# Altium PCB UmTRXv2.PcbDoc (part 21 of 25)
Units mm, origin at the board's own origin, x right, y up, seen from the top; angles counter-clockwise.
Board outline 159.5 x 99.5 mm, 6 copper layers (Top Layer, GND, MidLayer1, Mid-Layer 2, InternalPlane2, Bottom Layer), stack 1.526 mm thick; 708 components, 578 nets, 2802 pads, 1408 vias.
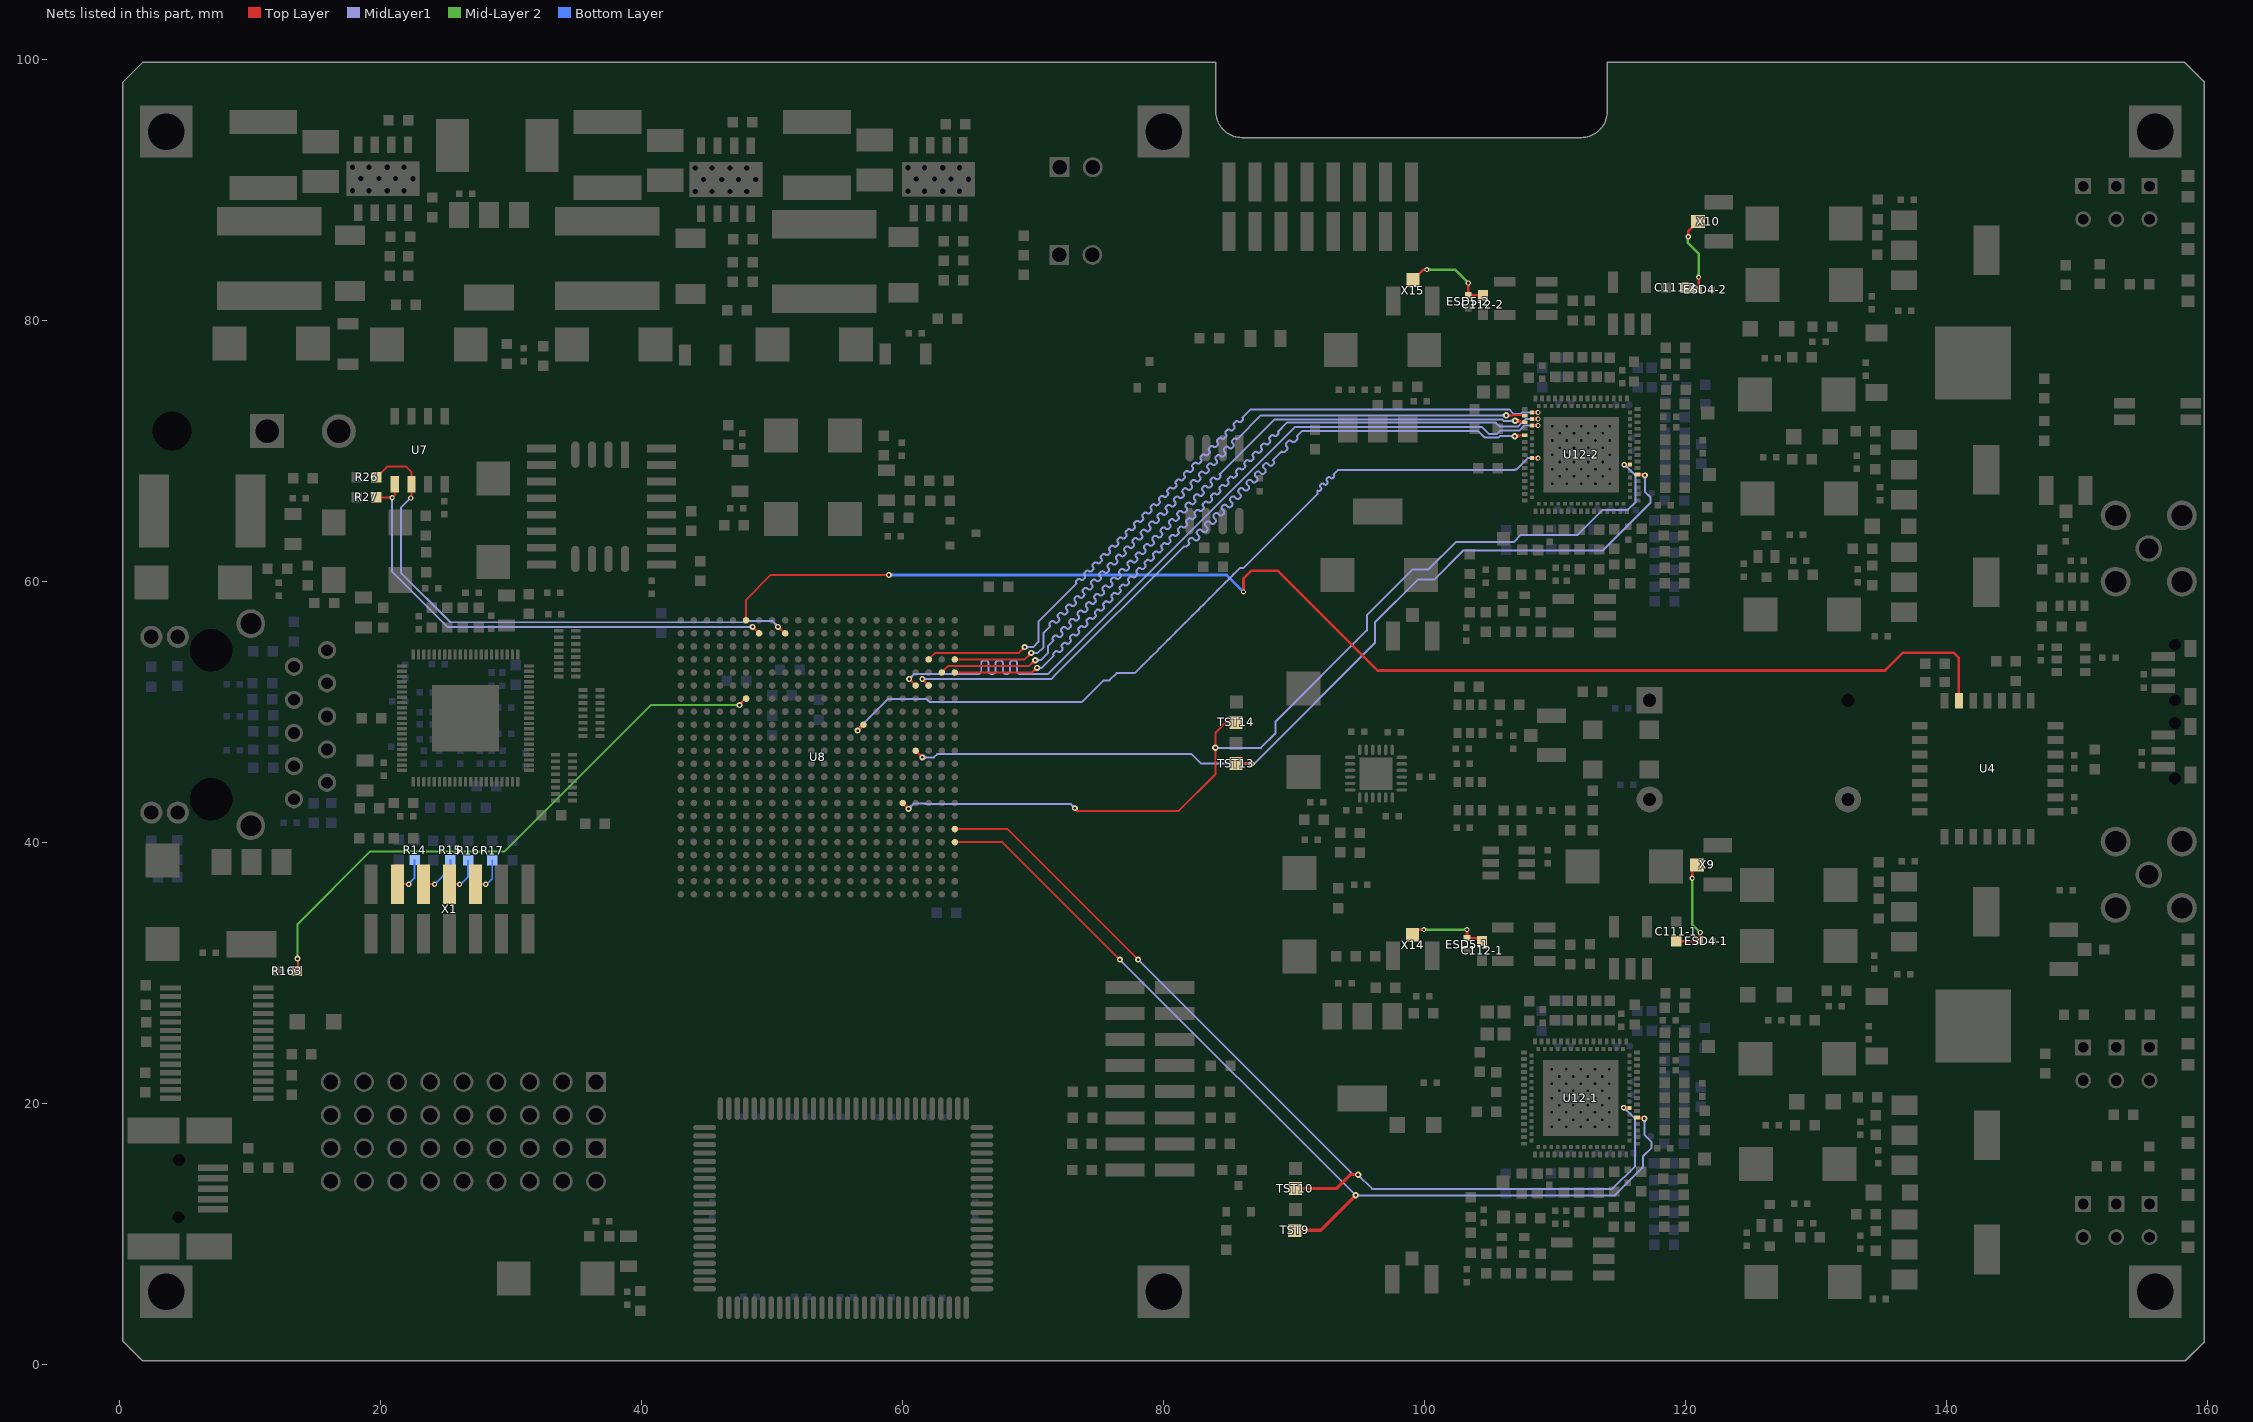
[diagram p25: the nets of this part, all layers, seen from the top]

## Via types
v1: diameter 0.5, hole 0.2, Top Layer to Bottom Layer, tented both sides, 441 vias
v2: diameter 0.45, hole 0.2, Top Layer to Bottom Layer, tented both sides, 429 vias
v3: diameter 0.7, hole 0.3, Top Layer to Bottom Layer, tented both sides, 258 vias
v4: diameter 0.4, hole 0.2, Top Layer to Bottom Layer, tented both sides, 197 vias
v5: diameter 0.8, hole 0.3, Top Layer to Bottom Layer, tented both sides, 61 vias
v6: diameter 0.6, hole 0.25, Top Layer to Bottom Layer, tented both sides, 16 vias
v7: diameter 0.6, hole 0.3, Top Layer to Bottom Layer, tented both sides, 4 vias
v8: diameter 1, hole 0.5, Top Layer to Bottom Layer, tented both sides, 2 vias

## Nets (pads, with @x,y where several pads share a name; then routed paths per layer and width w, separated by ;. In a path a pad name is that pad's centre, name@x,y a point inside that pad or via, vN(x,y) a via of type N, cw(c..) or ccw(c..) an arc to the next point about the centre after c; other vN are vias at no path point) (continued)
RX2D6: U8.U3 U12-2.9 | length 70.4
  Top Layer w0.15: U8.U3@62,52 v2(61.5,52.5) ; v1(106.9,71.1) 106.85,71.05 106.85,71 107.03,71.18 U12-2.9@107.671,71.18 ; v2@61.5,52.35 cw(c61.5,51.988) 61.756,52.244 ; v2@61.5,52.35 cw(c61.5,51.988) 61.756,52.244 ; v2@61.5,52.35 cw(c61.5,51.988) 61.756,52.244 ; v2(61.5,52.5) ccw(c61.757,52.553) 61.689,52.299 ; v2(61.5,52.5) cw(c61.447,52.243) 61.701,52.311 ; v2(61.5,52.5) cw(c61.447,52.243) 61.701,52.311 ; v2(61.5,52.5) ccw(c61.757,52.553) 61.689,52.299 ; v2(61.5,52.5) ccw(c61.757,52.553) 61.689,52.299 ; v2(61.5,52.5) cw(c61.447,52.243) 61.701,52.311 ; v2@61.65,52.5 ccw(c62.012,52.5) 61.756,52.244 ; v2@61.65,52.5 ccw(c62.012,52.5) 61.756,52.244 ; v2@61.65,52.5 ccw(c62.012,52.5) 61.756,52.244 ; v1@106.918,71.082 cw(c107.153,70.847) 107.153,71.18 ; v1@106.918,71.082 cw(c107.153,70.847) 107.153,71.18 ; v1@106.918,71.082 cw(c107.153,70.847) 107.153,71.18 ; v1@107.024,70.976 cw(c107.515,70.484) U12-2.9@107.515,71.18 ; v1@107.024,70.976 cw(c107.515,70.484) U12-2.9@107.515,71.18 ; v1@107.024,70.976 cw(c107.515,70.484) U12-2.9@107.515,71.18
  MidLayer1 w0.15: v2(61.5,52.5) 71.4,52.5 71.55,52.65 71.55,52.666 81.534,62.65 81.75,62.65 81.949,62.849 ccw(c81.899,62.898) 81.949,62.948 cw(c82.076,63.075) 81.949,63.203 82.013,63.266 cw(c82.14,63.139) 82.267,63.266 82.366,63.167 ccw(c82.493,63.294) 82.621,63.167 82.684,63.231 ccw(c82.557,63.358) 82.684,63.485 82.585,63.584 cw(c82.713,63.712) 82.585,63.839 82.649,63.903 cw(c82.776,63.775) 82.904,63.903 82.953,63.853 83.003,63.804 ccw(c83.13,63.931) 83.257,63.804 83.321,63.867 ccw(c83.193,63.994) 83.321,64.122 83.222,64.221 cw(c83.349,64.348) 83.222,64.475 83.285,64.539 cw(c83.413,64.412) 83.54,64.539 83.589,64.489 83.639,64.44 ccw(c83.766,64.567) 83.894,64.44 83.957,64.504 ccw(c83.83,64.631) 83.957,64.758 83.858,64.857 cw(c83.985,64.984) 83.858,65.112 83.922,65.175 cw(c84.049,65.048) 84.176,65.175 84.275,65.076 ccw(c84.403,65.204) 84.53,65.076 84.594,65.14 ccw(c84.466,65.267) 84.594,65.395 84.495,65.494 cw(c84.622,65.621) 84.495,65.748 84.558,65.812 cw(c84.685,65.684) 84.813,65.812 84.912,65.713 ccw(c85.039,65.84) 85.166,65.713 85.23,65.776 ccw(c85.103,65.904) 85.23,66.031 85.18,66.08 85.131,66.13 cw(c85.258,66.257) 85.131,66.384 85.195,66.448 cw(c85.322,66.321) 85.449,66.448 85.548,66.349 ccw(c85.675,66.476) 85.803,66.349 85.866,66.413 ccw(c85.739,66.54) 85.866,66.667 85.817,66.717 85.767,66.766 cw(c85.895,66.894) 85.767,67.021 85.831,67.085 cw(c85.958,66.957) 86.086,67.085 86.185,66.986 ccw(c86.312,67.113) 86.439,66.986 86.503,67.049 ccw(c86.375,67.176) 86.503,67.304 86.404,67.403 cw(c86.531,67.53) 86.404,67.657 86.467,67.721 cw(c86.595,67.594) 86.722,67.721 86.821,67.622 ccw(c86.948,67.749) 87.075,67.622 87.139,67.686 ccw(c87.012,67.813) 87.139,67.94 87.04,68.039 cw(c87.167,68.166) 87.04,68.294 87.104,68.357 cw(c87.231,68.23) 87.358,68.357 87.408,68.308 87.457,68.258 ccw(c87.585,68.386) 87.712,68.258 87.776,68.322 ccw(c87.648,68.449) 87.776,68.577 87.677,68.676 cw(c87.804,68.803) 87.677,68.93 87.74,68.994 cw(c87.867,68.866) 87.995,68.994 88.044,68.944 88.094,68.895 ccw(c88.221,69.022) 88.348,68.895 88.412,68.958 ccw(c88.285,69.086) 88.412,69.213 88.362,69.262 89.039,69.939 ccw(c89.18,70.08) 89.322,69.939 89.428,70.045 ccw(c89.286,70.186) 89.428,70.328 cw(c89.569,70.469) 89.428,70.611 89.534,70.717 cw(c89.675,70.575) 89.817,70.717 ccw(c89.958,70.858) 90.099,70.717 90.206,70.823 ccw(c90.064,70.964) 90.206,71.106 90.6,71.5 104.104,71.5 104.591,71.013 105.684,71.013 105.797,71.125 106.875,71.125 v1(106.9,71.1) ; v2@61.606,52.394 cw(c61.862,52.138) 61.862,52.5 ; v2@61.606,52.394 cw(c61.862,52.138) 61.862,52.5 ; v2@61.606,52.394 cw(c61.862,52.138) 61.862,52.5 ; v2@61.606,52.606 ccw(c61.862,52.862) 61.862,52.5 ; v2@61.606,52.606 ccw(c61.862,52.862) 61.862,52.5 ; v2@61.606,52.606 ccw(c61.862,52.862) 61.862,52.5
RX2D7: U8.U4 U12-2.6 | length 70.6
  Top Layer w0.15: U8.U4@61,52 v2(60.5,52.5) ; v2@60.5,52.35 cw(c60.5,51.988) 60.756,52.244 ; v2@60.5,52.35 cw(c60.5,51.988) 60.756,52.244 ; v2@60.5,52.35 cw(c60.5,51.988) 60.756,52.244 ; v2(60.5,52.5) ccw(c60.757,52.553) 60.689,52.299 ; v2(60.5,52.5) cw(c60.447,52.243) 60.701,52.311 ; v2(60.5,52.5) cw(c60.447,52.243) 60.701,52.311 ; v2(60.5,52.5) ccw(c60.757,52.553) 60.689,52.299 ; v2(60.5,52.5) ccw(c60.757,52.553) 60.689,52.299 ; v2(60.5,52.5) cw(c60.447,52.243) 60.701,52.311 ; v2@60.65,52.5 ccw(c61.012,52.5) 60.756,52.244 ; v2@60.65,52.5 ccw(c61.012,52.5) 60.756,52.244 ; v2@60.65,52.5 ccw(c61.012,52.5) 60.756,52.244
  Top Layer w0.2: U12-2.6@108.246,71.93 v4@108.671,71.93 ; 108.455,71.93 cw(c108.455,71.688) v4@108.625,71.859 ; 108.455,71.93 ccw(c108.455,72.171) v4@108.625,72.001 ; 108.455,71.93 ccw(c108.455,72.171) v4@108.625,72.001 ; 108.455,71.93 cw(c108.455,71.688) v4@108.625,71.859 ; 108.455,71.93 ccw(c108.455,72.171) v4@108.625,72.001 ; 108.455,71.93 cw(c108.455,71.688) v4@108.625,71.859
  MidLayer1 w0.15: v2(60.5,52.5) 60.9,52.9 65.805,52.9 ccw(c65.805,53.12) 66.025,53.12 66.025,53.715 cw(c66.245,53.715) 66.245,53.935 66.355,53.935 cw(c66.355,53.715) 66.575,53.715 66.575,53.12 ccw(c66.795,53.12) 66.795,52.9 66.905,52.9 ccw(c66.905,53.12) 67.125,53.12 67.125,53.715 cw(c67.345,53.715) 67.345,53.935 67.455,53.935 cw(c67.455,53.715) 67.675,53.715 67.675,53.12 ccw(c67.895,53.12) 67.895,52.9 68.005,52.9 ccw(c68.005,53.12) 68.225,53.12 68.225,53.715 cw(c68.445,53.715) 68.445,53.935 68.555,53.935 cw(c68.555,53.715) 68.775,53.715 68.775,53.12 ccw(c68.995,53.12) 68.995,52.9 71.15,52.9 90.05,71.8 104.413,71.8 104.95,71.263 105.534,71.263 105.834,71.563 107.285,71.563 107.652,71.93 v4(108.696,71.93) ; v2@60.5,52.65 ccw(c60.5,53.012) 60.756,52.756 ; v2@60.5,52.65 ccw(c60.5,53.012) 60.756,52.756 ; v2@60.5,52.65 ccw(c60.5,53.012) 60.756,52.756 ; v2@60.65,52.5 cw(c61.012,52.5) 60.756,52.756 ; v2@60.65,52.5 cw(c61.012,52.5) 60.756,52.756 ; v2@60.65,52.5 cw(c61.012,52.5) 60.756,52.756 ; 108.394,71.93 cw(c108.394,71.628) v4@108.608,71.841 ; 108.394,71.93 ccw(c108.394,72.232) v4@108.608,72.018 ; 108.394,71.93 ccw(c108.394,72.232) v4@108.608,72.018 ; 108.394,71.93 cw(c108.394,71.628) v4@108.608,71.841 ; 108.394,71.93 ccw(c108.394,72.232) v4@108.608,72.018 ; 108.394,71.93 cw(c108.394,71.628) v4@108.608,71.841
RX2D8: U8.V2 U12-2.5 | length 75.9
  Top Layer w0.15: U8.V2@63,53 63.5,53.5 69.7,53.5 v1(70.15,53.95) ; v1(106.95,72.3) 106.95,72.25 107.02,72.18 U12-2.5@107.671,72.18 ; 69.851,53.651 cw(c70.15,53.353) v1@70.15,53.775 ; 69.851,53.651 ccw(c69.553,53.95) v1@69.975,53.95 ; 69.851,53.651 ccw(c69.553,53.95) v1@69.975,53.95 ; 69.851,53.651 cw(c70.15,53.353) v1@70.15,53.775 ; 69.851,53.651 ccw(c69.553,53.95) v1@69.975,53.95 ; 69.851,53.651 cw(c70.15,53.353) v1@70.15,53.775 ; 69.89,53.705 ccw(c69.806,54.02) v1@70.126,53.955 ; 69.89,53.705 ccw(c69.806,54.02) v1@70.126,53.955 ; 69.89,53.705 ccw(c69.806,54.02) v1@70.126,53.955 ; 69.905,53.69 cw(c70.22,53.606) v1@70.155,53.926 ; 69.905,53.69 cw(c70.22,53.606) v1@70.155,53.926 ; 69.905,53.69 cw(c70.22,53.606) v1@70.155,53.926 ; v1@106.968,72.318 ccw(c107.3,72.65) 107.3,72.18 ; v1@106.968,72.318 ccw(c107.3,72.65) 107.3,72.18 ; v1@106.968,72.318 ccw(c107.3,72.65) 107.3,72.18 ; v1@106.97,72.285 cw(c107.125,72.175) 107.219,72.34 ; v1@106.97,72.285 cw(c107.125,72.175) 107.219,72.34 ; v1@106.97,72.285 cw(c107.125,72.175) 107.219,72.34 ; v1@107.074,72.424 ccw(c107.662,73.012) U12-2.5@107.662,72.18 ; v1@107.074,72.424 ccw(c107.662,73.012) U12-2.5@107.662,72.18 ; v1@107.074,72.424 ccw(c107.662,73.012) U12-2.5@107.662,72.18 ; v1@107.092,72.198 cw(c107.26,72.079) 107.362,72.257 ; v1@107.092,72.198 cw(c107.26,72.079) 107.362,72.257 ; v1@107.092,72.198 cw(c107.26,72.079) 107.362,72.257
  MidLayer1 w0.15: v1(70.15,53.95) 70.6,53.95 71.15,54.5 71.15,55.05 71.545,55.445 ccw(c71.531,55.459) 71.545,55.473 cw(c71.672,55.601) 71.545,55.728 71.609,55.791 cw(c71.736,55.664) 71.863,55.791 71.877,55.777 71.891,55.763 ccw(c72.019,55.89) 72.146,55.763 72.21,55.827 ccw(c72.082,55.954) 72.21,56.081 72.195,56.095 72.181,56.11 cw(c72.309,56.237) 72.181,56.364 72.245,56.428 cw(c72.372,56.301) 72.5,56.428 72.514,56.414 72.528,56.4 ccw(c72.655,56.527) 72.782,56.4 72.846,56.463 ccw(c72.719,56.59) 72.846,56.718 72.832,56.732 72.818,56.746 cw(c72.945,56.873) 72.818,57.001 72.881,57.064 cw(c73.009,56.937) 73.136,57.064 73.15,57.05 73.164,57.036 ccw(c73.292,57.163) 73.419,57.036 73.482,57.1 ccw(c73.355,57.227) 73.482,57.354 73.468,57.368 73.454,57.382 cw(c73.581,57.51) 73.454,57.637 73.518,57.701 cw(c73.645,57.573) 73.772,57.701 73.786,57.686 73.801,57.672 ccw(c73.928,57.8) 74.055,57.672 74.119,57.736 ccw(c73.992,57.863) 74.119,57.991 74.105,58.005 74.091,58.019 cw(c74.218,58.146) 74.091,58.273 74.154,58.337 cw(c74.281,58.21) 74.409,58.337 74.423,58.323 74.437,58.309 ccw(c74.564,58.436) 74.692,58.309 74.755,58.372 ccw(c74.628,58.5) 74.755,58.627 74.741,58.641 74.727,58.655 cw(c74.854,58.782) 74.727,58.91 74.791,58.973 cw(c74.918,58.846) 75.045,58.973 75.059,58.959 75.073,58.945 ccw(c75.201,59.072) 75.328,58.945 75.392,59.009 ccw(c75.264,59.136) 75.392,59.263 75.377,59.277 75.363,59.292 cw(c75.491,59.419) 75.363,59.546 75.427,59.61 cw(c75.554,59.483) 75.682,59.61 75.696,59.596 75.71,59.582 ccw(c75.837,59.709) 75.964,59.582 76.028,59.645 ccw(c75.901,59.772) 76.028,59.9 76.014,59.914 76,59.928 cw(c76.127,60.055) 76,60.183 76.063,60.246 cw(c76.191,60.119) 76.318,60.246 76.332,60.232 76.346,60.218 ccw(c76.473,60.345) 76.601,60.218 76.664,60.282 ccw(c76.537,60.409) 76.664,60.536 76.65,60.55 76.636,60.564 cw(c76.763,60.692) 76.636,60.819 76.7,60.883 cw(c76.827,60.755) 76.954,60.883 76.968,60.868 76.983,60.854 ccw(c77.11,60.982) 77.237,60.854 77.301,60.918 ccw(c77.174,61.045) 77.301,61.173 77.287,61.187 77.273,61.201 cw(c77.4,61.328) 77.273,61.455 77.336,61.519 cw(c77.463,61.392) 77.591,61.519 77.605,61.505 77.619,61.491 ccw(c77.746,61.618) 77.874,61.491 77.937,61.554 ccw(c77.81,61.682) 77.937,61.809 77.923,61.823 77.909,61.837 cw(c78.036,61.964) 77.909,62.092 77.973,62.155 cw(c78.1,62.028) 78.227,62.155 78.241,62.141 78.255,62.127 ccw(c78.383,62.254) 78.51,62.127 78.574,62.191 ccw(c78.446,62.318) 78.574,62.445 78.559,62.459 78.545,62.474 cw(c78.673,62.601) 78.545,62.728 78.609,62.792 cw(c78.736,62.665) 78.863,62.792 78.878,62.778 78.892,62.763 ccw(c79.019,62.891) 79.146,62.763 79.21,62.827 ccw(c79.083,62.954) 79.21,63.082 79.196,63.096 79.182,63.11 cw(c79.309,63.237) 79.182,63.365 79.245,63.428 cw(c79.373,63.301) 79.5,63.428 79.514,63.414 79.528,63.4 ccw(c79.655,63.527) 79.783,63.4 79.846,63.464 ccw(c79.719,63.591) 79.846,63.718 79.832,63.732 79.818,63.746 cw(c79.945,63.874) 79.818,64.001 79.882,64.065 cw(c80.009,63.937) 80.136,64.065 80.15,64.05 80.165,64.036 ccw(c80.292,64.164) 80.419,64.036 80.483,64.1 ccw(c80.355,64.227) 80.483,64.354 80.454,64.383 cw(c80.582,64.51) 80.454,64.637 80.518,64.701 cw(c80.645,64.574) 80.773,64.701 80.787,64.687 80.801,64.673 ccw(c80.928,64.8) 81.056,64.673 81.119,64.736 ccw(c80.992,64.864) 81.119,64.991 81.105,65.005 81.091,65.019 cw(c81.218,65.146) 81.091,65.274 81.155,65.337 cw(c81.282,65.21) 81.409,65.337 81.423,65.323 81.437,65.309 ccw(c81.565,65.436) 81.692,65.309 81.756,65.373 ccw(c81.628,65.5) 81.756,65.627 81.741,65.641 81.727,65.656 cw(c81.855,65.783) 81.727,65.91 81.791,65.974 cw(c81.918,65.846) 82.045,65.974 82.06,65.96 82.074,65.945 ccw(c82.201,66.073) 82.328,65.945 82.392,66.009 ccw(c82.265,66.136) 82.392,66.264 82.378,66.278 82.364,66.292 cw(c82.491,66.419) 82.364,66.547 82.427,66.61 cw(c82.555,66.483) 82.682,66.61 82.71,66.582 ccw(c82.837,66.709) 82.965,66.582 83.028,66.646 ccw(c82.901,66.773) 83.028,66.9 83.014,66.914 83,66.928 cw(c83.127,67.056) 83,67.183 83.064,67.247 cw(c83.191,67.119) 83.318,67.247 83.332,67.232 83.347,67.218 ccw(c83.474,67.346) 83.601,67.218 83.665,67.282 ccw(c83.537,67.409) 83.665,67.536 83.651,67.551 83.636,67.565 cw(c83.764,67.692) 83.636,67.819 83.7,67.883 cw(c83.827,67.756) 83.955,67.883 83.969,67.869 83.983,67.855 ccw(c84.11,67.982) 84.238,67.855 84.301,67.918 ccw(c84.174,68.046) 84.301,68.173 cw(c84.315,68.187) 84.301,68.201 88.5,72.4 105.949,72.4 106.074,72.275 106.925,72.275 v1(106.95,72.3) ; v1@70.274,53.826 cw(c70.572,53.528) 70.572,53.95 ; v1@70.274,53.826 cw(c70.572,53.528) 70.572,53.95 ; v1@70.274,53.826 cw(c70.572,53.528) 70.572,53.95 ; v1@70.274,54.074 ccw(c70.572,54.372) 70.572,53.95 ; v1@70.274,54.074 ccw(c70.572,54.372) 70.572,53.95 ; v1@70.274,54.074 ccw(c70.572,54.372) 70.572,53.95 ; 106.467,72.275 ccw(c106.467,72.783) v1@106.826,72.424 ; 106.467,72.275 ccw(c106.467,72.783) v1@106.826,72.424 ; 106.467,72.275 ccw(c106.467,72.783) v1@106.826,72.424 ; 106.588,72.275 cw(c106.588,71.938) v1@106.826,72.176 ; 106.588,72.275 cw(c106.588,71.938) v1@106.826,72.176 ; 106.588,72.275 cw(c106.588,71.938) v1@106.826,72.176
RX2D9: U8.V1 U12-2.4 | length 69.6
  Top Layer w0.15: U8.V1@64,53 69.9,53 70.3,53.4 v2(70.3,53.35) ; 69.958,53.058 cw(c70.3,52.717) v2@70.3,53.2 ; 69.958,53.058 cw(c70.3,52.717) v2@70.3,53.2 ; 69.958,53.058 cw(c70.3,52.717) v2@70.3,53.2 ; 70.079,53.179 ccw(c69.909,53.35) v2@70.15,53.35 ; 70.079,53.179 ccw(c69.909,53.35) v2@70.15,53.35 ; 70.079,53.179 ccw(c69.909,53.35) v2@70.15,53.35 ; 70.081,53.141 ccw(c70,53.446) v2(70.3,53.35) ; 70.081,53.141 ccw(c70,53.446) v2(70.3,53.35) ; 70.081,53.141 ccw(c70,53.446) v2(70.3,53.35)
  Top Layer w0.2: U12-2.4@108.246,72.43 v4@108.671,72.43 ; 108.455,72.43 cw(c108.455,72.188) v4@108.625,72.359 ; 108.455,72.43 ccw(c108.455,72.671) v4@108.625,72.501 ; 108.455,72.43 ccw(c108.455,72.671) v4@108.625,72.501 ; 108.455,72.43 cw(c108.455,72.188) v4@108.625,72.359 ; 108.455,72.43 ccw(c108.455,72.671) v4@108.625,72.501 ; 108.455,72.43 cw(c108.455,72.188) v4@108.625,72.359
  MidLayer1 w0.15: v2(70.3,53.35) 70.65,53.35 ; v4(108.696,72.43) 107.752,72.43 107.185,71.863 105.751,71.863 105.464,72.15 89.45,72.15 88.767,71.467 cw(c88.661,71.361) 88.767,71.255 88.661,71.149 cw(c88.555,71.255) 88.449,71.149 ccw(c88.342,71.042) 88.236,71.149 88.13,71.042 ccw(c88.236,70.936) 88.13,70.83 cw(c88.024,70.724) 88.13,70.618 88.024,70.512 cw(c87.918,70.618) 87.812,70.512 ccw(c87.706,70.406) 87.6,70.512 87.494,70.406 ccw(c87.6,70.3) 87.494,70.194 cw(c87.388,70.088) 87.494,69.982 87.388,69.876 cw(c87.282,69.982) 87.176,69.876 ccw(c87.07,69.77) 86.964,69.876 86.858,69.77 ccw(c86.964,69.664) 86.858,69.558 cw(c86.752,69.452) 86.858,69.345 86.752,69.239 cw(c86.645,69.345) 86.539,69.239 ccw(c86.433,69.133) 86.327,69.239 86.221,69.133 ccw(c86.327,69.027) 86.221,68.921 cw(c86.115,68.815) 86.221,68.709 86.115,68.603 cw(c86.009,68.709) 85.903,68.603 ccw(c85.797,68.497) 85.691,68.603 85.585,68.497 ccw(c85.691,68.391) 85.585,68.285 cw(c85.479,68.179) 85.585,68.073 85.479,67.967 cw(c85.373,68.073) 85.267,67.967 ccw(c85.161,67.861) 85.054,67.967 84.948,67.861 ccw(c85.054,67.754) 84.948,67.648 cw(c84.842,67.542) 84.948,67.436 84.842,67.33 cw(c84.736,67.436) 84.63,67.33 ccw(c84.524,67.224) 84.418,67.33 84.312,67.224 ccw(c84.418,67.118) 84.312,67.012 cw(c84.206,66.906) 84.312,66.8 84.206,66.694 cw(c84.1,66.8) 83.994,66.694 ccw(c83.888,66.588) 83.782,66.694 83.676,66.588 ccw(c83.782,66.482) 83.676,66.376 cw(c83.57,66.27) 83.676,66.163 83.57,66.057 cw(c83.463,66.163) 83.357,66.057 ccw(c83.251,65.951) 83.145,66.057 83.039,65.951 ccw(c83.145,65.845) 83.039,65.739 cw(c82.933,65.633) 83.039,65.527 82.933,65.421 cw(c82.827,65.527) 82.721,65.421 ccw(c82.615,65.315) 82.509,65.421 82.403,65.315 ccw(c82.509,65.209) 82.403,65.103 cw(c82.297,64.997) 82.403,64.891 82.297,64.785 cw(c82.191,64.891) 82.085,64.785 ccw(c81.979,64.679) 81.872,64.785 81.766,64.679 ccw(c81.872,64.572) 81.766,64.466 cw(c81.66,64.36) 81.766,64.254 81.66,64.148 cw(c81.554,64.254) 81.448,64.148 ccw(c81.342,64.042) 81.236,64.148 81.13,64.042 ccw(c81.236,63.936) 81.13,63.83 cw(c81.024,63.724) 81.13,63.618 81.024,63.512 cw(c80.918,63.618) 80.812,63.512 ccw(c80.706,63.406) 80.6,63.512 80.494,63.406 ccw(c80.6,63.3) 80.494,63.194 cw(c80.388,63.088) 80.494,62.981 80.388,62.875 cw(c80.281,62.981) 80.175,62.875 ccw(c80.069,62.769) 79.963,62.875 79.857,62.769 ccw(c79.963,62.663) 79.857,62.557 cw(c79.751,62.451) 79.857,62.345 79.751,62.239 cw(c79.645,62.345) 79.539,62.239 ccw(c79.433,62.133) 79.327,62.239 79.221,62.133 ccw(c79.327,62.027) 79.221,61.921 cw(c79.115,61.815) 79.221,61.709 79.115,61.603 cw(c79.009,61.709) 78.903,61.603 ccw(c78.797,61.497) 78.691,61.603 78.584,61.497 ccw(c78.691,61.391) 78.584,61.284 cw(c78.478,61.178) 78.584,61.072 78.478,60.966 cw(c78.372,61.072) 78.266,60.966 ccw(c78.16,60.86) 78.054,60.966 77.948,60.86 ccw(c78.054,60.754) 77.948,60.648 cw(c77.842,60.542) 77.948,60.436 77.842,60.33 cw(c77.736,60.436) 77.63,60.33 ccw(c77.524,60.224) 77.418,60.33 77.312,60.224 ccw(c77.418,60.118) 77.312,60.012 cw(c77.206,59.906) 77.312,59.8 77.206,59.693 cw(c77.1,59.8) 76.993,59.693 ccw(c76.887,59.587) 76.781,59.693 76.675,59.587 ccw(c76.781,59.481) 76.675,59.375 cw(c76.569,59.269) 76.675,59.163 76.569,59.057 cw(c76.463,59.163) 76.357,59.057 ccw(c76.251,58.951) 76.145,59.057 76.039,58.951 ccw(c76.145,58.845) 76.039,58.739 cw(c75.933,58.633) 76.039,58.527 75.933,58.421 cw(c75.827,58.527) 75.721,58.421 ccw(c75.615,58.315) 75.509,58.421 75.402,58.315 ccw(c75.509,58.209) 75.402,58.102 cw(c75.296,57.996) 75.402,57.89 75.296,57.784 cw(c75.19,57.89) 75.084,57.784 ccw(c74.978,57.678) 74.872,57.784 74.766,57.678 ccw(c74.872,57.572) 74.766,57.466 cw(c74.66,57.36) 74.766,57.254 74.66,57.148 cw(c74.554,57.254) 74.448,57.148 ccw(c74.342,57.042) 74.236,57.148 74.13,57.042 ccw(c74.236,56.936) 74.13,56.83 cw(c74.024,56.724) 74.13,56.618 74.024,56.511 cw(c73.918,56.618) 73.811,56.511 ccw(c73.705,56.405) 73.599,56.511 73.493,56.405 ccw(c73.599,56.299) 73.493,56.193 cw(c73.387,56.087) 73.493,55.981 73.387,55.875 cw(c73.281,55.981) 73.175,55.875 ccw(c73.069,55.769) 72.963,55.875 72.857,55.769 ccw(c72.963,55.663) 72.857,55.557 cw(c72.751,55.451) 72.857,55.345 72.751,55.239 cw(c72.645,55.345) 72.539,55.239 ccw(c72.433,55.133) 72.327,55.239 72.22,55.133 ccw(c72.327,55.027) 72.22,54.92 cw(c72.114,54.814) 72.22,54.708 72.114,54.602 cw(c72.008,54.708) 71.902,54.602 ccw(c71.796,54.496) 71.69,54.602 71.584,54.496 ccw(c71.69,54.39) 71.584,54.284 70.65,53.35 ; v2@70.409,53.247 cw(c70.65,53.017) 70.65,53.35 ; v2@70.409,53.247 cw(c70.65,53.017) 70.65,53.35 ; v2@70.409,53.247 cw(c70.65,53.017) 70.65,53.35 ; v2@70.409,53.453 ccw(c70.65,53.683) 70.65,53.35 ; v2@70.409,53.453 ccw(c70.65,53.683) 70.65,53.35 ; v2@70.409,53.453 ccw(c70.65,53.683) 70.65,53.35 ; 108.394,72.43 cw(c108.394,72.128) v4@108.608,72.341 ; 108.394,72.43 ccw(c108.394,72.732) v4@108.608,72.518 ; 108.394,72.43 ccw(c108.394,72.732) v4@108.608,72.518 ; 108.394,72.43 cw(c108.394,72.128) v4@108.608,72.341 ; 108.394,72.43 ccw(c108.394,72.732) v4@108.608,72.518 ; 108.394,72.43 cw(c108.394,72.128) v4@108.608,72.341
RX2D10: U8.W1 U12-2.3 | length 72.3
  Top Layer w0.15: U8.W1@64,54 69.35,54 v2(69.85,54.5) ; v1(106.25,72.7) 106.749,72.7 106.774,72.725 107.626,72.725 U12-2.3@107.671,72.68 ; 69.594,54.244 cw(c69.85,53.988) v2@69.85,54.35 ; 69.594,54.244 ccw(c69.338,54.5) v2@69.7,54.5 ; 69.594,54.244 ccw(c69.338,54.5) v2@69.7,54.5 ; 69.594,54.244 cw(c69.85,53.988) v2@69.85,54.35 ; 69.594,54.244 ccw(c69.338,54.5) v2@69.7,54.5 ; 69.594,54.244 cw(c69.85,53.988) v2@69.85,54.35 ; 69.649,54.311 cw(c69.903,54.243) v2(69.85,54.5) ; 69.649,54.311 cw(c69.903,54.243) v2(69.85,54.5) ; 69.649,54.311 cw(c69.903,54.243) v2(69.85,54.5) ; 69.661,54.299 ccw(c69.593,54.553) v2(69.85,54.5) ; 69.661,54.299 ccw(c69.593,54.553) v2(69.85,54.5) ; 69.661,54.299 ccw(c69.593,54.553) v2(69.85,54.5) ; v1@106.374,72.576 cw(c106.672,72.278) 106.672,72.7 ; v1@106.374,72.576 cw(c106.672,72.278) 106.672,72.7 ; v1@106.374,72.576 cw(c106.672,72.278) 106.672,72.7 ; v1@106.374,72.824 ccw(c106.672,73.122) 106.672,72.7 ; v1@106.374,72.824 ccw(c106.672,73.122) 106.672,72.7 ; v1@106.374,72.824 ccw(c106.672,73.122) 106.672,72.7